# Altium PCB PCB1.PcbDoc (continued)
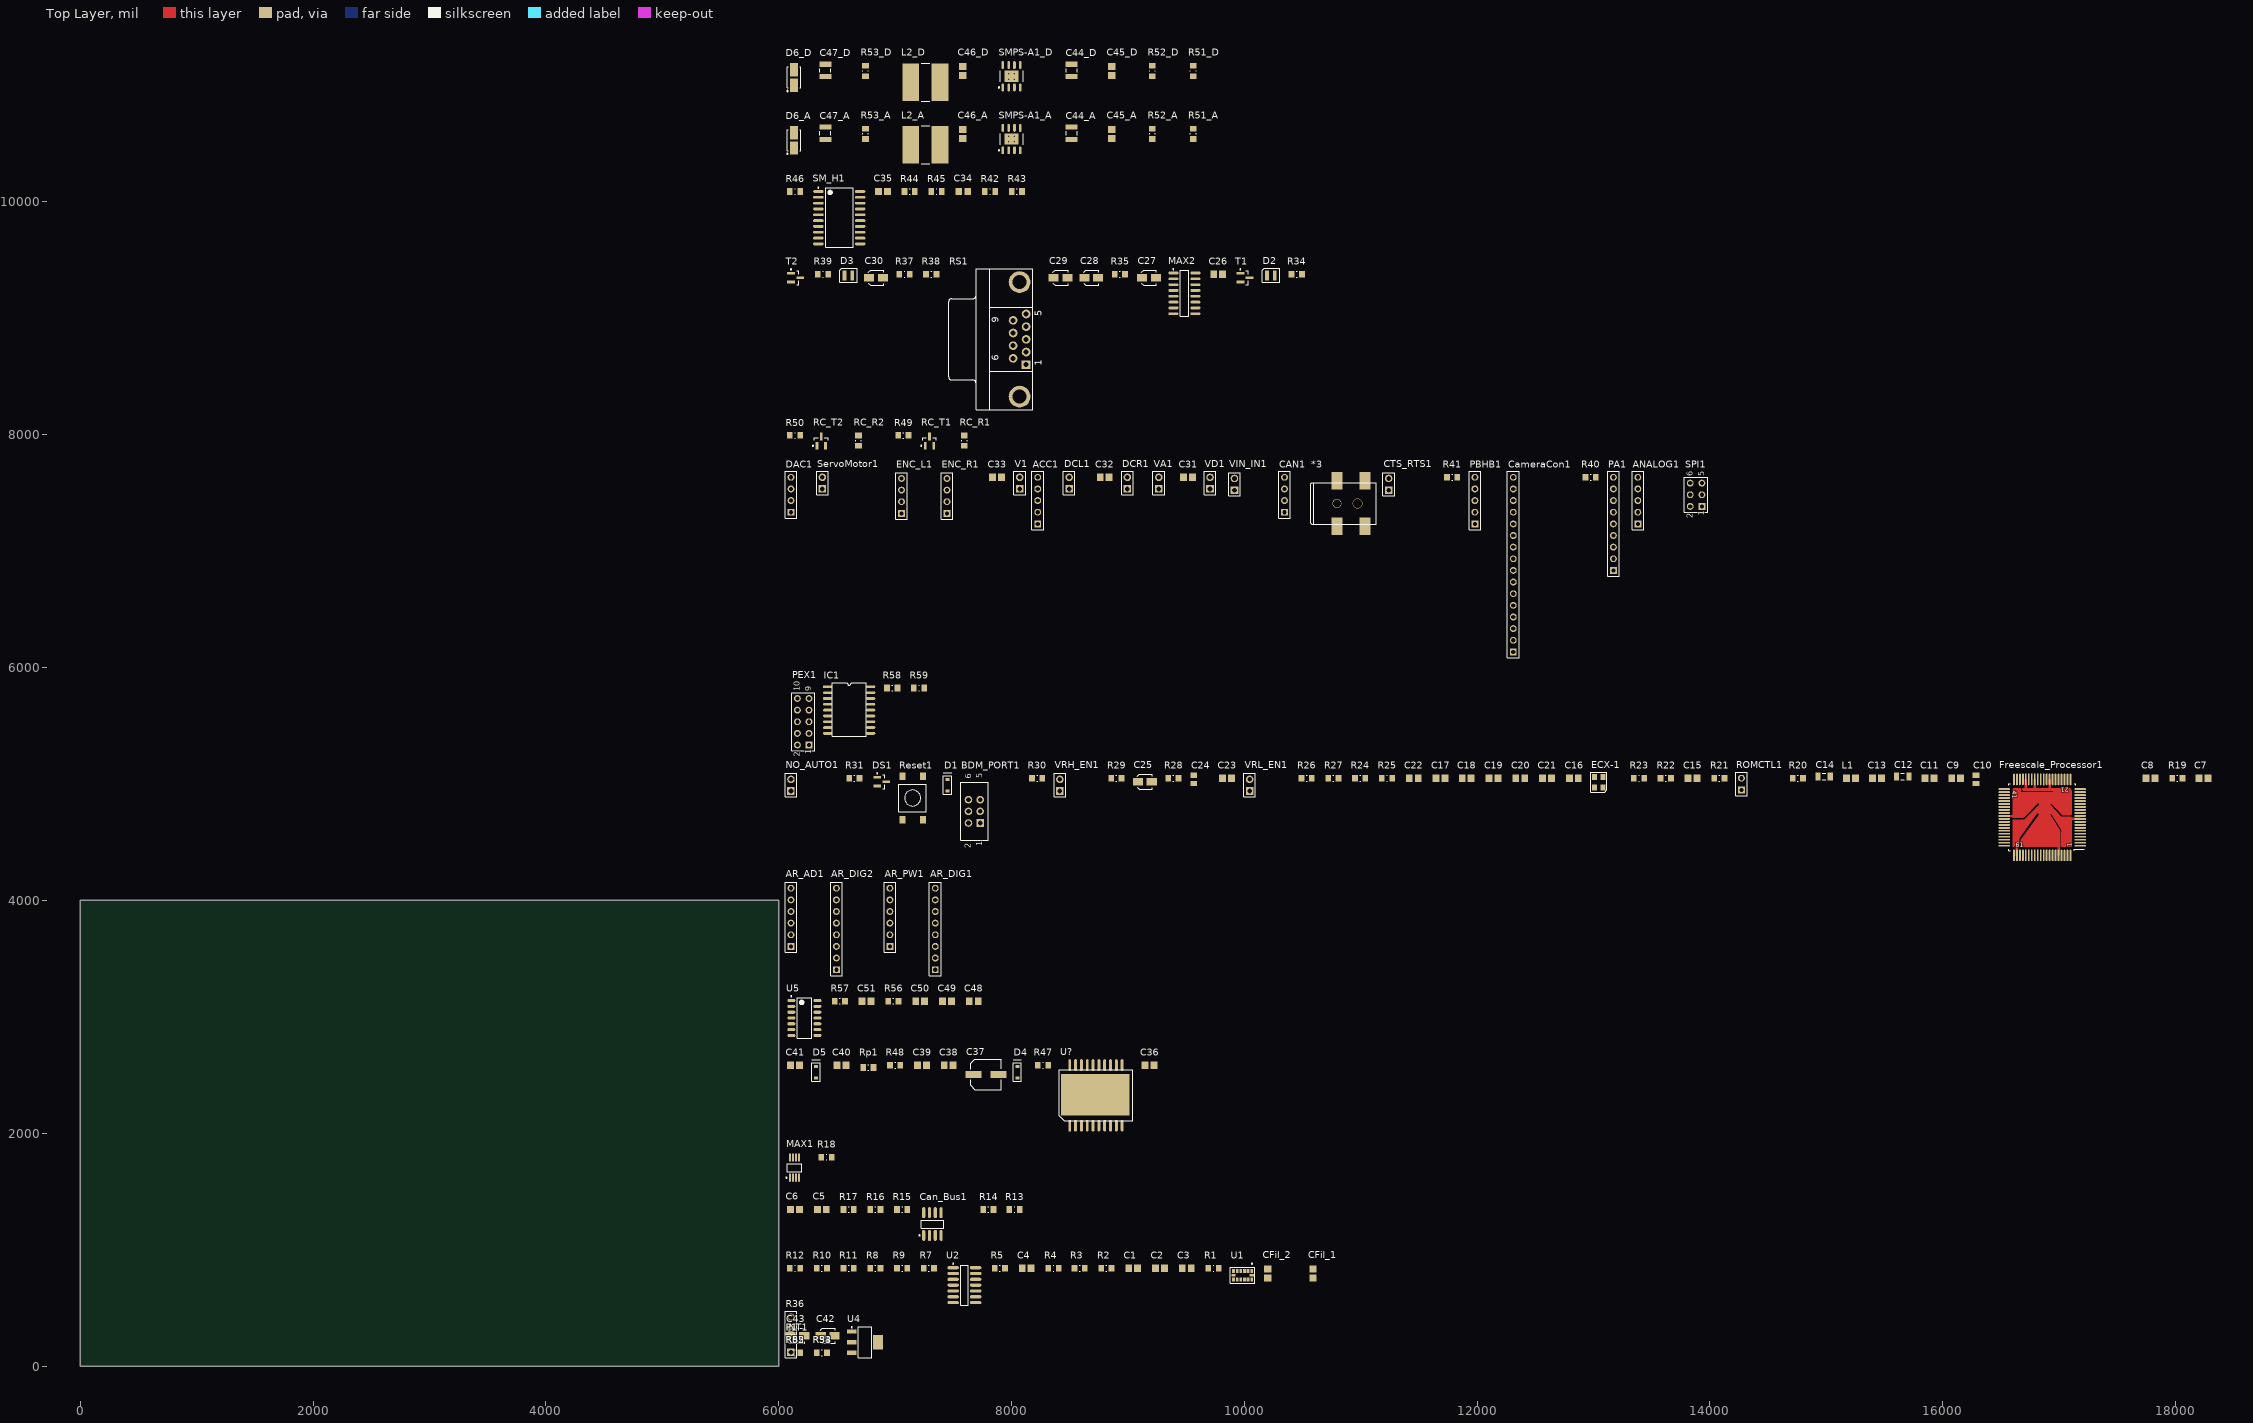
[diagram p0: Top Layer view]
## Components (designator, comment, footprint, x,y, rotation, side; value= is the part's Value field where it differs from the comment) (continued)
RS1 "D Connector 9" DSUB1.385-2H9 7695,8820 r90 top
ServoMotor1 "Header 2" HDR1X2#1 6375,7535 r90 top
SM_H1 "L293DD" SO20_N 6520,9865 r0 top
SMPS-A1_A "LM22675MR-ADJ/NOPB" MRA08B_L 8000,10540 r90 top (schematic designator SMPS-A1)
SMPS-A1_D "LM22675MR-ADJ/NOPB" MRA08B_L 8000,11080 r90 top (schematic designator SMPS-A1)
SPI1 "Header 3X2" HDR2X3 13930,7385 r90 top
T1 "BC846B" SOT95P230X110-3M 10005,9350 r0 top
T2 "BC846B" SOT95P230X110-3M 6145,9350 r0 top
U1 "LIS352ARTR" LGA-14-3X5MM 9985,780 r0 top
U2 "LMC6484_0" SOIC127P600X175-14M-NS 7595,695 r0 top
U4 "LM1117IMP-ADJ/NOPB" MP04A_L 6740,205 r0 top
U5 "74ACT14_3" SOIC127P600X175-14M 6220,2990 r0 top
U? "L6225" POWERSOP20 8500,2065 r0 top
V1 "Header 2" HDR1X2#1 8070,7535 r90 top
VA1 "Header 2" HDR1X2#1 9265,7535 r90 top
VD1 "Header 2" HDR1X2#1 9705,7535 r90 top
VIN_IN1 "Header 2" HDR1X2#1 9915,7525 r90 top
VRH_EN1 "Header 2" HDR1X2#1 8415,4940 r90 top
VRL_EN1 "Header 2" HDR1X2#1 10045,4940 r90 top

## Footprints (in the part's own frame and the unit in brackets; to place one, negate y for a bottom-side part, rotate by r counter-clockwise, add the part's x,y. Pads: shape width x height; smd on the part's side, far side on the other; paste and mask are expansions set on the pad)
C1206 [mm] "Chip Capacitor, Body 3.2x1.6mm, IPC High Density"
  rect 1.1x1.7 smd: 1(-1.35,0) 2(1.35,0)
  silkscreen extent -0.4,-0.75 0.4,0.75, body extent -1.7,-0.9 1.7,0.9, height 1.3
C1210 [mm] "Chip Capacitor, Body 3.2x2.5mm, IPC High Density"
  rect 1.1x2.6 smd: 1(-1.35,0) 2(1.35,0)
  silkscreen extent -0.4,-1.2 0.4,1.2, body extent -1.7,-1.35 1.7,1.35, height 1.3
C_805 [mm]
  rect 1.15x1.45 smd: 1(-0.9,0) 2(0.9,0)
CAPACITOR_3MM [mm]
  rect 2.2x1.6 smd: 1(-1.5,0) 2(1.5,0)
  silkscreen extent -1.65,-1.65 1.65,1.65, body extent -2.6,-2.15 2.6,2.15, height 6.15
CAPACITOR_6.3MM [mm]
  rect 3.5x1.6 smd: 1(-2.7,0) 2(2.7,0)
  silkscreen extent -3.3,-3.3 3.3,3.3, body extent -3.8,-3.3 3.8,3.3, height 8.1
CAPC2012X09M [mm] "Chip Capacitor, 2-Leads, Body 2.00x1.25mm, IPC Low Density"
  rect 1.5x1.6 smd: 1(-0.975,0) 2(0.975,0)
  body extent -1.1,-0.72 1.1,0.72, height 0.88
DIOM4326X23M [mm] "Molded Diode, 2-Leads, Body 4.30x2.60mm, IPC Low Density"
  rect 2.9x1.7 smd: 1(-1.675,0) 2(1.675,0)
  silkscreen extent -3.07,-1.5 2.3,1.52, body extent -2.74,-1.4 2.74,1.4, height 2.36
DSUB1.385-2H9 [mm] "Connector; D Subminiature; 9 Position; Right Angle; Pitch 1.385 mm"
  rect 1.905x1.905 hole 1.09: 1(-5.54,-10.92)
  round 1.905 hole 1.09: 2(-2.77,-10.92) 3(0,-10.92) 4(2.77,-10.92) 5(5.54,-10.92) 6(-4.155,-8.08) 7(-1.385,-8.08) 8(1.385,-8.08) 9(4.155,-8.08)
  round 4.76 hole 3.1: 10(-12.495,-9.5) 11(12.495,-9.5)
  silkscreen extent -15.4,-12.4 15.4,6, body extent -15.49,-12.69 15.32,5.61, height 12.88
ECX-32 [mm]
  rect 1.3x1.1 smd: 1(0,0) 2(2.3,0) 3(2.3,1.8) 4(0,1.8)
  silkscreen extent -1.02,-0.89 3.3,2.67
HDR1X2#1 [mil] "Connector; Header; 4 Position"
  rect 65x65 hole 40: 1(0,0)
  round 65 hole 40: 2(100,0)
  silkscreen extent -50,-50 151,50, body extent -46,-50 154,48, height 370
HDR1X2#2 [mil] "Connector; Header; 2 Position"
  rect 59.06x59.06 hole 35.43: 1(0,0)
  round 59.06 hole 35.43: 2(100,0)
  silkscreen extent -50,-50 150,50
HDR1X4#1 [mm] "Connector; Header; 4 Position"
  rect 1.5x1.5 hole 0.9: 1(0,0)
  round 1.5 hole 0.9: 2(2.54,0) 3(5.08,0) 4(7.62,0)
  silkscreen extent -1.27,-1.27 8.89,1.27
HDR1X4#2 [mm] "Connector; Header; 4 Position"
  rect 1.651x1.651 hole 1.016: 1(0,0)
  round 1.651 hole 1.016: 2(2.54,0) 3(5.08,0) 4(7.62,0)
  silkscreen extent -1.27,-1.27 8.89,1.27, body extent -1.19,-1.22 8.97,1.28, height 9.4
HDR1X5 [mm] "Connector; Header; 5 Position"
  rect 1.5x1.5 hole 0.9: 1(0,0)
  round 1.5 hole 0.9: 2(2.54,0) 3(5.08,0) 4(7.62,0) 5(10.16,0)
  silkscreen extent -1.27,-1.27 11.43,1.27
HDR1X6 [mm] "Connector; Header; 6 Position"
  rect 1.5x1.5 hole 0.9: 1(0,0)
  round 1.5 hole 0.9: 2(2.54,0) 3(5.08,0) 4(7.62,0) 5(10.16,0) 6(12.7,0)
  silkscreen extent -1.27,-1.27 13.97,1.27
HDR1X8 [mm] "Connector; Header; 8 Position"
  rect 1.5x1.5 hole 0.9: 1(0,0)
  round 1.5 hole 0.9: 2(2.54,0) 3(5.08,0) 4(7.62,0) 5(10.16,0) 6(12.7,0) 7(15.24,0) 8(17.78,0)
  silkscreen extent -1.27,-1.27 19.05,1.27
HDR1X9 [mm] "Connector; Header; 9 Position"
  rect 1.5x1.5 hole 0.9: 1(0,0)
  round 1.5 hole 0.9: 2(2.54,0) 3(5.08,0) 4(7.62,0) 5(10.16,0) 6(12.7,0) 7(15.24,0) 8(17.78,0) 9(20.32,0)
  silkscreen extent -1.27,-1.27 21.59,1.27
HDR1X16 [mm] "Connector; Header; 16 Position"
  rect 1.5x1.5 hole 0.9: 1(0,0)
  round 1.5 hole 0.9: 2(2.54,0) 3(5.08,0) 4(7.62,0) 5(10.16,0) 6(12.7,0) 7(15.24,0) 8(17.78,0) 9(20.32,0) 10(22.86,0) 11(25.4,0) 12(27.94,0) 13(30.48,0) 14(33.02,0) 15(35.56,0) 16(38.1,0)
  silkscreen extent -1.27,-1.27 39.37,1.27
HDR2X3 [mm] "Connector; Header; 3x2 Position"
  rect 1.5x1.5 hole 0.9: 1(0,0)
  round 1.5 hole 0.9: 2(0,2.54) 3(2.54,0) 4(2.54,2.54) 5(5.08,0) 6(5.08,2.54)
  silkscreen extent -1.27,-1.27 6.35,3.81
HDR2X5 [mm] "Connector; Header; 5x2 Position"
  rect 1.5x1.5 hole 0.9: 1(0,0)
  round 1.5 hole 0.9: 2(0,2.54) 3(2.54,0) 4(2.54,2.54) 5(5.08,0) 6(5.08,2.54) 7(7.62,0) 8(7.62,2.54) 9(10.16,0) 10(10.16,2.54)
  silkscreen extent -1.27,-1.27 11.43,3.81
HDR3X2 [mil] "Connector; Header Male; 3x2 Position"
  rect 65x65 hole 40: 1(0,0)
  round 65 hole 40: 2(0,100) 3(100,0) 4(100,100) 5(200,0) 6(200,100)
  silkscreen extent -150,-68 350,168, body extent -50,-49 250,151, height 374
INDP8080X40M [mm] "Precision Wire Wound Inductor, 2-Leads, Body 8.00x8.00mm, IPC Low Density"
  rect 3.7x8.2 smd: 1(-3.2,0) 2(3.2,0)
  silkscreen extent -0.95,-4.15 0.95,4.15, body extent -4,-4 4,4, height 4
LED [mm]
  rect 0.8x2.2 smd: 1(0,0) 2(1.7,0)
  silkscreen extent -1.02,-1.52 2.79,1.52
LGA-14-3X5MM [mm]
  rect 0.6x0.9 smd: 1(2,0.95) 2(1.2,0.95) 3(0.4,0.95) 4(-0.4,0.95) 5(-1.2,0.95) 6(-2,0.95) 8(-2,-0.95) 9(-1.2,-0.95) 10(-0.4,-0.95) 11(0.4,-0.95) 12(1.2,-0.95) 13(2,-0.95)
  rect 0.9x0.6 smd: 7(-2,0) 14(2,0)
  silkscreen extent -2.7,-1.7 2.7,2.67, body extent -2.54,-1.52 2.54,1.52, height 1
MCP23009 [mm]
  rect 2x0.6 smd: 1(0,0)
  oval 2x0.6 smd: 2(0,-1.27) 3(0,-2.54) 4(0,-3.81) 5(0,-5.08) 6(0,-6.35) 7(0,-7.62) 8(0,-8.89) 9(0,-10.16) 10(9.4,-10.16) 11(9.4,-8.89) 12(9.4,-7.62) 13(9.4,-6.35) 14(9.4,-5.08) 15(9.4,-3.81) 16(9.4,-2.54) 17(9.4,-1.27) 18(9.4,0)
  silkscreen extent 1,-10.79 8.4,0.89
MP04A_L [mm] "SOT223, 4-Leads, Body 6.5x3.5mm, Pitch 2.3mm, Lead Span 7mm, IPC High Density"
  rect 2.1x0.9 smd: 1(-2.85,2.3) 2(-2.85,0) 3(-2.85,-2.3)
  rect 2.1x3.2 smd: 4(2.85,0)
  silkscreen extent -2.97,-3.35 1.5,3.42, body extent -1.85,-3.35 1.85,3.35, height 1.8
MRA08B_L [mm] "SOIC, 8-Leads, Body 4.9x3.9mm, Pitch 1.27mm, Exposed Pad, IPC High Density"
  oval 1.7x0.6 smd: 1(-2.45,1.905) 2(-2.45,0.635) 3(-2.45,-0.635) 4(-2.45,-1.905) 5(2.45,-1.905) 6(2.45,-0.635) 7(2.45,0.635) 8(2.45,1.905)
  rect 2.41x3.1 smd: 9(0,0)
  silkscreen extent -2.57,-2.5 1.2,2.88, body extent -2,-2.5 2,2.5, height 1.68
NSO16_N [mm] "SOIC, 16-Leads, Body 9.9x3.9mm, Pitch 1.27mm, IPC Medium Density"
  oval 2.2x0.6 smd: 1(-2.4,4.445) 2(-2.4,3.175) 3(-2.4,1.905) 4(-2.4,0.635) 5(-2.4,-0.635) 6(-2.4,-1.905) 7(-2.4,-3.175) 8(-2.4,-4.445) 9(2.4,-4.445) 10(2.4,-3.175) 11(2.4,-1.905) 12(2.4,-0.635) 13(2.4,0.635) 14(2.4,1.905) 15(2.4,3.175) 16(2.4,4.445)
  silkscreen extent -2.52,-5 0.9,5.42, body extent -3.1,-5 3.1,5, height 1.75
PJ-002AH-SMD [mm]
  round 1.954 hole 1.7: 0(0,0)
  round 2.154 hole 1.9: 0(4.5,0)
  rect 2.4x3.8 smd: 1(0,5) 1(6.1,5) 2(0,-5) 3(6.1,-5)
  silkscreen extent -5.71,-4.5 8.58,4.5
POWERSOP20 [mil]
  rect 25x100 smd: 1(0,0)
  rect 590.55x354.33 smd: 1(220,265)
  oval 25x100 smd: 2(50,0) 3(100,0) 4(150,0) 5(200,0) 6(250,0) 7(300,0) 8(350,0) 9(400,0) 10(450,0) 11(450,520.85) 12(400,520.85) 13(350,520.85) 14(300,520.85) 15(250,520.85) 16(200,520.85) 17(150,520.85) 18(100,520.85) 19(50,520.85) 20(0,520.85)
  silkscreen extent -90,41 540,480, body extent -90,-21 540,541, height 128
QUAD.65M/80/WG17.45-HCS12 [mil]
  rect 16x100 smd: 1(0,0) 10(230.4,0) 50(256,652.4)
  oval 16x100 smd: 2(25.6,0) 3(51.2,0) 4(76.8,0) 5(102.4,0) 6(128,0) 7(153.6,0) 8(179.2,0) 9(204.8,0) 11(256,0) 12(281.6,0) 13(307.2,0) 14(332.8,0) 15(358.4,0) 16(384,0) 17(409.6,0) 18(435.2,0) 19(460.8,0) 20(486.4,0) 41(486.4,652.4) 42(460.8,652.4) 43(435.2,652.4) 44(409.6,652.4) 45(384,652.4) 46(358.4,652.4) 47(332.8,652.4) 48(307.2,652.4) 49(281.6,652.4) 51(230.4,652.4) 52(204.8,652.4) 53(179.2,652.4) 54(153.6,652.4) 55(128,652.4) 56(102.4,652.4) 57(76.8,652.4) 58(51.2,652.4) 59(25.6,652.4) 60(0,652.4)
  oval 100x16 smd: 21(569.4,83) 22(569.4,108.6) 23(569.4,134.2) 24(569.4,159.8) 25(569.4,185.4) 26(569.4,211) 27(569.4,236.6) 28(569.4,262.2) 29(569.4,287.8) 31(569.4,339) 32(569.4,364.6) 33(569.4,390.2) 34(569.4,415.8) 35(569.4,441.4) 36(569.4,467) 37(569.4,492.6) 38(569.4,518.2) 39(569.4,543.8) 40(569.4,569.4) 61(-83,569.4) 62(-83,543.8) 63(-83,518.2) 64(-83,492.6) 65(-83,467) 66(-83,441.4) 67(-83,415.8) 68(-83,390.2) 69(-83,364.6) 71(-83,313.4) 72(-83,287.8) 73(-83,262.2) 74(-83,236.6) 75(-83,211) 76(-83,185.4) 77(-83,159.8) 78(-83,134.2) 79(-83,108.6) 80(-83,83)
  rect 100x16 smd: 30(569.4,313.4) 70(-83,339)
  Top Layer region: 603 vertices and 0 holes, not listed, extent -84.54,-0.54 570.54,656.54
  silkscreen extent -44,-36 531,614, body extent -71,10 561,641, height 53
RESC2112X05M [mm] "Chip Resistor, 2-Leads, Body 2.05x1.25mm, IPC Low Density"
  rect 1.25x1.45 smd: 1(-1.125,0) 2(1.125,0)
  silkscreen extent -0.1,-0.63 0.1,0.63, body extent -1.1,-0.7 1.1,0.7, height 0.5
SO20_N [mm] "SOIC, 20-Leads, Body 12.8x7.5mm, Pitch 1.27mm, IPC Medium Density"
  oval 2.3x0.6 smd: 1(-4.55,5.715) 2(-4.55,4.445) 3(-4.55,3.175) 4(-4.55,1.905) 5(-4.55,0.635) 6(-4.55,-0.635) 7(-4.55,-1.905) 8(-4.55,-3.175) 9(-4.55,-4.445) 10(-4.55,-5.715) 11(4.55,-5.715) 12(4.55,-4.445) 13(4.55,-3.175) 14(4.55,-1.905) 15(4.55,-0.635) 16(4.55,0.635) 17(4.55,1.905) 18(4.55,3.175) 19(4.55,4.445) 20(4.55,5.715)
  silkscreen extent -4.67,-6.5 3,6.69, body extent -5.04,-6.52 5.15,6.82, height 2.67
SOIC127P600X175-8M [mm] "SOIC, 8-Leads, Body 4.90x3.90mm, Pitch 1.27mm, IPC Low Density"
  oval 2.4x0.7 smd: 1(-2.475,1.905) 2(-2.475,0.635) 3(-2.475,-0.635) 4(-2.475,-1.905) 5(2.475,-1.905) 6(2.475,-0.635) 7(2.475,0.635) 8(2.475,1.905)
  silkscreen extent -2.6,-2.45 0.88,2.93, body extent -3,-2.5 3,2.5, height 1.78
SOIC127P600X175-14M [mm] "SOIC, 14-Leads, Body 8.65x3.90mm, Pitch 1.27mm, IPC Low Density"
  oval 1.75x0.7 smd: 1(-2.85,3.81) 2(-2.85,2.54) 3(-2.85,1.27) 4(-2.85,0) 5(-2.85,-1.27) 6(-2.85,-2.54) 7(-2.85,-3.81) 8(2.85,-3.81) 9(2.85,-2.54) 10(2.85,-1.27) 11(2.85,0) 12(2.85,1.27) 13(2.85,2.54) 14(2.85,3.81)
  silkscreen extent -2.97,-4.4 1.58,4.83, body extent -3,-4.37 3,4.38, height 1.83
SOIC127P600X175-14M-NS [mm] "SOIC, 14-Leads, Body 8.62x3.90mm, Pitch 1.27mm, IPC Low Density"
  oval 2.5x0.7 smd: 1(-2.45,3.81) 2(-2.45,2.54) 3(-2.45,1.27) 4(-2.45,0) 5(-2.45,-1.27) 6(-2.45,-2.54) 7(-2.45,-3.81) 8(2.45,-3.81) 9(2.45,-2.54) 10(2.45,-1.27) 11(2.45,0) 12(2.45,1.27) 13(2.45,2.54) 14(2.45,3.81)
  silkscreen extent -2.57,-4.35 0.8,4.83, body extent -3.05,-4.37 2.95,4.38, height 1.83
SOT95P230X110-3M [mm] "SOT23, 3-Leads, Body 2.90x2.30mm, Pitch 0.95mm, IPC Low Density"
  rect 1.7x0.6 smd: 1(-1,0.95) 2(-1,-0.95) 3(1,0)
  silkscreen extent -1.12,-1.5 0.7,1.92, body extent -0.7,-1.5 0.7,1.5, height 1.1
TACT_SWITCH_6MM_SMT [mm]
  rect 1.55x1.3 smd: 1(-4.75,2.25) 2(4.75,2.25) 3(-4.75,-2.25) 4(4.75,-2.25)
  silkscreen extent -3,-3 3,3, body extent -5,-3.05 5,2.95, height 5.07
TSOP65P490X110-8M [mm] "TSOP, 8-Leads, Body 3.00x3.00mm, Pitch 0.65mm, IPC Low Density"
  oval 1.85x0.45 smd: 1(-2.2,0.975) 2(-2.2,0.325) 3(-2.2,-0.325) 4(-2.2,-0.975) 5(2.2,-0.975) 6(2.2,-0.325) 7(2.2,0.325) 8(2.2,0.975)
  silkscreen extent -2.32,-1.55 0.87,1.87, body extent -1.55,-1.55 1.55,1.55, height 1.1
zener_sod323 [mil]
  rect 25x33 smd: A(-49.75,0) K(49.75,0)
  silkscreen extent -80,-35 105,35, body extent -52,-25 54,24, height 43

## Part data
ACC1 ANALOG1 PBHB1: "Header, 5-Pin"
AR_AD1 AR_PW1: "Header, 6-Pin"
AR_DIG1 AR_DIG2: "Header, 8-Pin"
BDM_PORT1: "CONN HEADER BRKWAY 6POS DL .100"
C1 C2 C3: library part CAP-Y5V-.1uF-50V-+80%/-20%, "CAP CER .1uF 50v Y5V 0805"
C4 C17 C18 C19 C20 C21 C22 C26 C34 C35: library part CAP-X7R-.1uF-50V-±20%, "CAP CER .1uF 50v X7R 0805"
C5 C6: library part CAP-COG-100pF-500V-±5%, "CAP CER 100pF 500v COG 0805"
C7: library part CAP-X7R-4700pF-50V-±10%, "CAP CER 4700pF 50v X7R 0805"
C8: library part CAP-X7R-470pF-50V-±10%, "CAP CER 470pF 50v X7R 0805"
C9 C11 C12 C13 C14 C23 C48 C49 C50 C51: library part CAP-X7R-.1uF-16V-±10%, "CAP CER .1uF 16v X7R 0805"
C10: library part CAP-Z5U-10000pF-50V-+80%/-20%, "CAP CER 10000pF 50v Z5U 0805"
C15 C16: library part CAP-X7R-22pF-630V-±10%, "CAP CER 22pF 630v X7R 0805"
C24 C46_A C46_D: library part CAP-X7R-10000pF-100V-±10%, "CAP CER 10000pF 100v X7R 0805"
C25: library part "Cap Polar-10uF-16V", "CAP 85C 10uF ±20% 16V WX Series Aluminum Electrolytic"
C27 C28 C29 C30 C42 C43: library part "Cap Polar-0.1uF-50V", "CAP 85C 0.1uF ±20% 50V WX Series Aluminum Electrolytic"
C31 C32 C33: library part CAP-Z5U-.1uF-50V-±20%, "CAP CER .1uF 50v Z5U 0805"
C36 C40: library part CAP-X7R-5600pF-50V-±10%, "CAP CER 5600pF 50v X7R 0805"
C37: library part "Cap Polar-100uF-16V", "CAP 85C 100uF ±20% 16V WX Series Aluminum Electrolytic"
C38: library part CAP-X7R-.1uF-100V-±10%, "CAP CER .1uF 100v X7R 0805"
C39: library part CAP-X7R-10000pF-1000V-±5%, "CAP CER 10000pF 1000v X7R 1210"
C41: library part CAP-X7R-.22uF-50V-±10%, "CAP CER .22uF 50v X7R 0805"
C44_A C44_D C47_A C47_D: library part Cap, "Capacitor"
C45_A C45_D: library part CAP-X7R-1uF-16V-±10%, "CAP CER 1uF 16v X7R 0805"
CameraCon1: "Header, 16-Pin"
CAN1 DAC1: "Header, 4-Pin"
Can_Bus1: "IC TRANSCEIVER CAN HI-SPD 8-SOIC"
CFil_1: library part CAP-X5R-10uF-6.3V-±10%, "CAP CER 10uF 6.3v X5R 0805"
CFil_2: library part CAP-Z5U-10000pF-50V-±20%, "CAP CER 10000pF 50v Z5U 0805"
CTS_RTS1 DCL1 DCR1 NO_AUTO1 ROMCTL1 ServoMotor1 V1 VA1 VD1 VIN_IN1 VRH_EN1 VRL_EN1: "Header, 2-Pin"
D1: library part "Diode 1N4148", "High Conductance Fast Diode"
D4 D5: "High Conductance Fast Diode"
D6_A D6_D: "Schottky Rectifier"
DS1: "5V EconoReset with Pushbutton"
ENC_L1 ENC_R1: library part "Header 4", "Header, 4-Pin"
Freescale_Processor1: "IC MCU 16BIT 128KB FLASH 80QFP"
INT1 P1: "Header, 2-Pin Male"
L1: library part INDUCTOR
L2_A L2_D: library part SRN8040, "FIXED IND 22UH 2.2A 100 MOHM SMD"
MAX1: library part Max5513-dac
MAX2: "3.0V TO 5.5V, Low-Power, up to 1Mbps, True RS-232 Transceiver Using Four 0.1µF External Capacitor"
PA1: "Header, 9-Pin"
PEX1: "Header, 5-Pin, Dual row"
R1 R2 R9 R10 R11 R13 R14 R18 R20 R22 R24 R28 R29 R30 R31 R40 R41 R42 R43 R44 R45 R46 R49 R50 R56 R57 R58 R59: library part Resistor_10.0K, "RES SMD 10.0K OHM 1% 1/8W 0805"
R3 R4 R5 R7: library part Resistor_6.65K, "RES SMD 6.65K OHM 1% 1/8W 0805"
R6: library part Resistor_19.6K, "RES SMD 19.6K OHM 1% 1/8W 0805"
R8: library part Resistor_32.4K, "RES SMD 32.4K OHM 1% 1/8W 0805"
R12 R32 R33: library part Resistor_0R_Jumper, "RES SMD 0 OHM 5% 1/8W 0805"
R15 R19 R35 R37 R38: library part Resistor_4.75K, "RES SMD 4.75K OHM 1% 1/8W 0805"
R16 R17: library part Resistor_102R, "RES SMD 102R OHM 1% 1/8W 0805"
R21 R23 R25: library part Resistor_9.76M, "RES SMD 9.76M OHM 1% 1/8W 0805"
R26 R27 R51_A R51_D R54 R55 RC_R1 RC_R2: library part Resistor_1.00K, "RES SMD 1.00K OHM 1% 1/8W 0805"
R34 R39: library part Resistor_698R, "RES SMD 698R OHM 1% 1/8W 0805"
R36: "Header, 4-Pin Male"
R47 R48: library part Resistor_100K, "RES SMD 100K OHM 1% 1/8W 0805"
R52_A R52_D R53_A R53_D: library part Resistor_2.87K, "RES SMD 2.87K OHM 1% 1/8W 0805"
RC_T1 RC_T2 T1 T2: "NPN General Purpose Amplifier"
Reset1: "SWITCH TACTILE SPST-NO 0.05A 12V"
Rp1: library part Resistor_100R, "RES SMD 100R OHM 1% 1/8W 0805"
RS1: "Receptacle Assembly, 9 Position, Right Angle"
SM_H1: "Push-Pull Four Channel Driver With Diode"
SMPS-A1_A SMPS-A1_D: "1A SIMPLE SWITCHER®, Step-Down Voltage Regulator with Precision Enable, 8-pin PSOP, Pb-Free"
SPI1: "Header, 3-Pin, Dual row"
U1: library part LIS352AR, "IC ACCELEROMETER 3AXIS LP 14LGA"
U2: "IC OPAMP GP 1.5MHZ RRO 14SOIC"
U4: "800mA Low-Dropout Linear Regulator, 4-pin SOT-223, Pb-Free"
U5: "IC INVERTER HEX SCHMITT 14SOIC"
U?: "IC MOTOR DRIVER PAR 20POWERSO"

## Via types
v1: diameter 25.98, hole 12.99, Top Layer to Bottom Layer, tented top, 8 vias

## Nets (pads, with @x,y where several pads share a name; then routed paths per layer and width w, separated by ;. In a path a pad name is that pad's centre, name@x,y a point inside that pad or via, vN(x,y) a via of type N, cw(c..) or ccw(c..) an arc to the next point about the centre after c; other vN are vias at no path point)
3.3VD: AR_PW1.2 C33.2 C42.1 CFil_1.1 CFil_2.1 U1.2 U1.13 U1.14 U4.2 U4.4 V1.2
5VA: AR_PW1.1 C31.2 C34.2 C47_A.2 CameraCon1.5 L2_A.2 R40.1 R41.1 R52_A.2 R54.1 R55.1 R56.2 R57.2 RC_T1.3 RC_T2.3 SM_H1.20 U5.14 VD1.2
5VD: AR_DIG1.1 AR_PW1.3 BDM_PORT1.6 C4.2 C12.2 C14.2 C17.2 C18.2 C19.2 C20.2 C21.2 C22.2 C26.1 C32.2 C43.1 C47_D.2 Can_Bus1.3 DS1.2 Freescale_Processor1.29 Freescale_Processor1.77 IC1.1 L1.1 L2_D.2 MAX1.6 MAX2.16 P1.2 PEX1.2 R13.2 R14.2 R18.2 R20.2 R22.2 R24.2 R27.2 R28.2 R29.1 R30.1 R31.2 R34.1 R39.2 R52_D.2 R58.2 R59.2 SPI1.2 U2.4 U4.3 VA1.2
AD0: AR_AD1.1 Freescale_Processor1.51
AD1: AR_AD1.2 Freescale_Processor1.52
AD2: AR_AD1.3 Freescale_Processor1.53
AD3: AR_AD1.4 Freescale_Processor1.54
AD4: ANALOG1.5 AR_AD1.5 Freescale_Processor1.55
AD5: ANALOG1.4 AR_AD1.6 Freescale_Processor1.56 R9.1 U2.7
AD6: ANALOG1.3 Freescale_Processor1.57
AD7: ANALOG1.2 Freescale_Processor1.58
CTS: MAX2.7 R36.3 RS1.8
DAC_CS: Freescale_Processor1.1 MAX1.1 R18.1
GND: *3.2 *3.3 ACC1.1 ANALOG1.1 AR_DIG1.2 AR_PW1.4 AR_PW1.5 AR_PW1.6 BDM_PORT1.2 C1.2 C2.2 C3.2 C4.1 C5.1 C6.1 C9.1 C10.1 C11.1 C12.1 C13.1 C14.1 C15.1 C16.1 C17.1 C18.1 C19.1 C20.1 C21.1 C22.1 C24.1 C25.2 C26.2 C28.2 C30.1 C31.1 C32.1 C33.1 C34.1 C35.2 C36.2 C37.2 C38.1 C40.1 C42.2 C43.2 C44_A.2 C44_D.2 C45_A.2 C45_D.2 C47_A.1 C47_D.1 C48.1 C49.1 C50.2 C51.2 CameraCon1.2 CameraCon1.6 CameraCon1.7 CameraCon1.16 CAN1.4 Can_Bus1.2 CFil_1.2 CFil_2.2 D6_A.2 D6_D.2 DAC1.4 DS1.3 ECX-1.2 ECX-1.4 ENC_L1.3 ENC_R1.3 Freescale_Processor1.10 Freescale_Processor1.28 Freescale_Processor1.33 Freescale_Processor1.36 Freescale_Processor1.50 Freescale_Processor1.62 Freescale_Processor1.76 IC1.18 MAX1.7 MAX2.15 NO_AUTO1.1 PA1.9 PBHB1.5 PEX1.1 R1.1 R2.1 R6.2 R10.2 R11.2 R15.1 R21.2 R26.1 R32.1 R33.1 R38.1 R42.1 R43.1 R44.1 R45.1 R46.2 R49.1 R50.1 R51_A.2 R51_D.2 R53_A.1 R53_D.1 Reset1.1 Reset1.2 ROMCTL1.2 RS1.5 SM_H1.4 SM_H1.5 SM_H1.6 SM_H1.7 SM_H1.14 SM_H1.15 SM_H1.16 SM_H1.17 SMPS-A1_A.6 SMPS-A1_A.9 SMPS-A1_D.6 SMPS-A1_D.9 SPI1.6 T1.2 T2.2 U1.5 U1.10 U2.11 U4.1 U5.7 U?.1 U?.8 U?.10 U?.11 U?.13 U?.20 V1.1 VA1.1 VD1.1 VIN_IN1.1 VRL_EN1.2
  other v1: 7976.38,10516.38 8023.62,10516.38 7976.38,10563.62 8023.62,10563.62 7976.38,11056.38 8023.62,11056.38 7976.38,11103.62 8023.62,11103.62
IRQ: Freescale_Processor1.39 INT1.2 R28.1
MODA: Freescale_Processor1.26 R33.2
MODB: Freescale_Processor1.25 R32.2
MODC-BK: BDM_PORT1.1 Freescale_Processor1.15 R30.2
NetACC1_2: ACC1.2 C3.1 U1.9
NetACC1_3: ACC1.3 C2.1 U1.8
NetACC1_4: ACC1.4 C1.1 U1.7
NetACC1_5: ACC1.5 R7.1
NetC5_2: C5.2 R16.1
NetC6_2: C6.2 R17.1
NetC7_2: C7.2 R19.1
NetC15_2: C15.2 ECX-1.3 Freescale_Processor1.34 R23.2
NetC16_2: C16.2 ECX-1.1 R23.1 R25.2
NetC27_1: C27.1 MAX2.1
NetC27_2: C27.2 MAX2.3
NetC28_1: C28.1 MAX2.2
NetC29_1: C29.1 MAX2.4
NetC29_2: C29.2 MAX2.5
NetC30_2: C30.2 MAX2.6
NetC36_1: C36.1 R47.1 U?.5
NetC39_1: C39.1 Rp1.2
NetC39_2: C39.2 U?.4
NetC40_2: C40.2 R48.1 U?.16
NetC41_2: C41.2 D5.K U?.17
NetC46_A_1: C46_A.1 D6_A.1 L2_A.1 SMPS-A1_A.8
NetC46_A_2: C46_A.2 SMPS-A1_A.1
NetC46_D_1: C46_D.1 D6_D.1 L2_D.1 SMPS-A1_D.8
NetC46_D_2: C46_D.2 SMPS-A1_D.1
NetC48_2: C48.2 ENC_L1.1 R54.2
NetC49_2: C49.2 ENC_R1.1 R55.2
NetC50_1: C50.1 ENC_L1.4 R56.1 U5.1
NetC51_1: C51.1 ENC_R1.4 R57.1 U5.3
NetCAN1_1: CAN1.1 Can_Bus1.6 R16.2
NetCAN1_2: CAN1.2 Can_Bus1.7 R17.2
NetCAN1_3: CAN1.3 Can_Bus1.5
NetCan_Bus1_1: Can_Bus1.1 Freescale_Processor1.74 R14.1
NetCan_Bus1_4: Can_Bus1.4 Freescale_Processor1.75 R13.1
NetCan_Bus1_8: Can_Bus1.8 P1.1 R15.2
NetCTS_RTS1_1: CTS_RTS1.1 MAX2.10
NetCTS_RTS1_2: CTS_RTS1.2 MAX2.9 R38.2
NetD1_K: D1.K DS1.1 Reset1.3 Reset1.4
NetD2_1: D2.1 T1.3
NetD2_2: D2.2 R34.2
NetD3_1: D3.1 T2.3
NetD3_2: D3.2 R39.1
NetD4_K: D4.K D5.A Rp1.1
NetDAC1_1: DAC1.1 MAX1.4
NetDAC1_2: DAC1.2 MAX1.5
NetDAC1_3: DAC1.3 MAX1.8
NetDCL1_1: DCL1.1 U?.3
NetDCL1_2: DCL1.2 U?.18
NetDCR1_1: DCR1.1 U?.9
NetDCR1_2: DCR1.2 U?.12
NetENC_L1_2: ENC_L1.2
NetENC_R1_2: ENC_R1.2
NetFreescale_Processor1_2: Freescale_Processor1.2 R4.1
NetFreescale_Processor1_3: Freescale_Processor1.3 R5.1
NetFreescale_Processor1_4: Freescale_Processor1.4 R3.1
NetFreescale_Processor1_5: Freescale_Processor1.5 U5.2
NetFreescale_Processor1_6: Freescale_Processor1.6 U5.4
NetFreescale_Processor1_7: Freescale_Processor1.7 RC_R1.1
NetFreescale_Processor1_8: Freescale_Processor1.8 RC_R2.1
NetFreescale_Processor1_11: Freescale_Processor1.11 R42.2 SM_H1.2
NetFreescale_Processor1_12: Freescale_Processor1.12 R44.2 SM_H1.9
NetFreescale_Processor1_13: Freescale_Processor1.13 R43.2 SM_H1.12
NetFreescale_Processor1_14: Freescale_Processor1.14 R45.2 SM_H1.19
NetFreescale_Processor1_16: Freescale_Processor1.16 U?.6
NetFreescale_Processor1_17: Freescale_Processor1.17 U?.14
NetFreescale_Processor1_18: Freescale_Processor1.18 U?.7
NetFreescale_Processor1_19: Freescale_Processor1.19 U?.15
NetFreescale_Processor1_24: Freescale_Processor1.24 R21.1
NetFreescale_Processor1_35: Freescale_Processor1.35 R25.1
NetFreescale_Processor1_78: Freescale_Processor1.78 R46.1 SM_H1.1 SM_H1.11
NetFreescale_Processor1_79: Freescale_Processor1.79 R48.2
NetFreescale_Processor1_80: Freescale_Processor1.80 R47.2
NetIC1_7: IC1.7 R58.1
NetMAX2_13: MAX2.13 RS1.3
NetMAX2_14: MAX2.14 RS1.2
NetR1_2: R1.2 R4.2 U1.4
NetR2_2: R2.2 R3.2 U1.6
NetR5_2: R5.2 R11.1 U1.3
NetR6_1: R6.1 R9.2 U2.6
NetR7_2: R7.2 R10.1 U1.12
NetR8_1: R8.1 U2.2
NetR8_2: R8.2 U2.1 U2.5
NetR12_1: R12.1 U1.11
NetR12_2: R12.2 U2.3
NetR35_2: R35.2 T1.1
NetR37_1: R37.1 T2.1
NetR50_2: R50.2 RC_T2.2 ServoMotor1.2
NetR51_A_1: R51_A.1 R52_A.1 SMPS-A1_A.4
NetR51_D_1: R51_D.1 R52_D.1 SMPS-A1_D.4
NetR53_A_2: R53_A.2 SMPS-A1_A.5
NetR53_D_2: R53_D.2 SMPS-A1_D.5
NetRC_R1_2: RC_R1.2 RC_T1.1
NetRC_R2_2: RC_R2.2 RC_T2.1
PA0: AR_DIG1.8 Freescale_Processor1.41 PA1.1
PA1: AR_DIG1.7 Freescale_Processor1.42 PA1.2
PA2: AR_DIG2.6 Freescale_Processor1.43 PA1.3
PA3: AR_DIG2.5 Freescale_Processor1.44 PA1.4
PA4: AR_DIG2.4 Freescale_Processor1.45 PA1.5
PA5: AR_DIG2.3 Freescale_Processor1.46 PA1.6
PA6: AR_DIG2.2 Freescale_Processor1.47 PA1.7
PA7: AR_DIG2.1 Freescale_Processor1.48 PA1.8
PB4: Freescale_Processor1.20 PBHB1.4
PB5: Freescale_Processor1.21 PBHB1.3
PB6: AR_DIG2.8 Freescale_Processor1.22 PBHB1.2
PB7: AR_DIG2.7 Freescale_Processor1.23 PBHB1.1
PEX0: IC1.9 PEX1.3
PEX1: IC1.10 PEX1.4
PEX2: IC1.11 PEX1.5
PEX3: IC1.12 PEX1.6
PEX4: IC1.13 PEX1.7
PEX5: IC1.14 PEX1.8
PEX6: IC1.15 PEX1.9
PEX7: IC1.16 PEX1.10
PJ6: Freescale_Processor1.69 IC1.3 R59.1
PJ7: Freescale_Processor1.68 IC1.8
R1: R36.1 RS1.1 RS1.4 RS1.6
RESET: BDM_PORT1.4 D1.A Freescale_Processor1.30 R29.2
ROMCTL: Freescale_Processor1.67 R20.1 ROMCTL1.1
RT: R36.4 RS1.9
RTS: MAX2.8 R36.2 RS1.7
RX_RS232: Freescale_Processor1.63 MAX2.12 R37.2
"SERVO SIGNAL": CameraCon1.4 R49.2 RC_T1.2 ServoMotor1.1
SPI_MISO: AR_DIG1.5 Freescale_Processor1.73 IC1.6 R24.1 SPI1.1
SPI_MOSI: AR_DIG1.4 Freescale_Processor1.71 IC1.5 MAX1.3 R22.1 SPI1.4
SPI_SCK: AR_DIG1.3 Freescale_Processor1.70 IC1.4 MAX1.2 R26.2 R27.1 SPI1.3
SPI_SS: AR_DIG1.6 Freescale_Processor1.72 SPI1.5
"STEPPER A": CameraCon1.13 SM_H1.3
"STEPPER A BAR": CameraCon1.12 SM_H1.8
"STEPPER B": CameraCon1.9 SM_H1.13
"STEPPER B BAR": CameraCon1.8 SM_H1.18
SWITCH_LEFT-: CameraCon1.15 Freescale_Processor1.65 R41.2
SWITCH_RIGHT-: CameraCon1.1 Freescale_Processor1.66 R40.2
TX_RS232: Freescale_Processor1.64 MAX2.11 R35.1
VDD1: C11.2 Freescale_Processor1.9
VDD2: C13.2 Freescale_Processor1.49
VDDA: C24.2 C25.1 Freescale_Processor1.59 L1.2 VRH_EN1.2
VDDPLL: C7.1 C8.1 C9.2 C10.2 Freescale_Processor1.31
VIN: *3.1 C35.1 C37.1 C38.2 C41.1 C44_A.1 C44_D.1 C45_A.1 C45_D.1 D4.A SM_H1.10 SMPS-A1_A.7 SMPS-A1_D.7 U?.2 U?.19 VIN_IN1.2
VRH: C23.2 Freescale_Processor1.60 VRH_EN1.1
VRL: C23.1 Freescale_Processor1.61 VRL_EN1.1
XFC: C8.2 Freescale_Processor1.32 R19.2
XIRQ: Freescale_Processor1.40 INT1.1 NO_AUTO1.2 R31.1
pads on no net: *3.0 BDM_PORT1.3 BDM_PORT1.5 CameraCon1.3 CameraCon1.10 CameraCon1.11 CameraCon1.14 Freescale_Processor1.27 Freescale_Processor1.37 Freescale_Processor1.38 IC1.2 IC1.17 RS1.10 RS1.11 SMPS-A1_A.2 SMPS-A1_A.3 SMPS-A1_D.2 SMPS-A1_D.3 U1.1 U2.8 U2.9 U2.10 U2.12 U2.13 U2.14 U5.5 U5.6 U5.8 U5.9 U5.10 U5.11 U5.12 U5.13

## Silkscreen, mask and mechanical layers (free items; w line width, h text height)
Mechanical 1:
  the board outline again, w100

## Text inside footprints (layer, text, board x,y; h text height)
BDM_PORT1: Top Overlay "6" at 7652,5046 h50 r90; Top Overlay "5" at 7750,5050 h50 r90; Top Overlay "1" at 7750,4465 h50 r90; Top Overlay "2" at 7650,4449 h50 r90
Freescale_Processor1: Top Overlay "61" at 16626,4457.57 h37.5; Top Overlay "41" at 16598.17,4941 h37.5 r270; Top Overlay "21" at 17081.58,4968.83 h37.5 r180; Top Overlay "1" at 17109.42,4461.82 h37.5 r90; Mechanical 1 "61" at 16626,4457.57 h37.5; Mechanical 1 "41" at 16598.17,4941 h37.5 r270; Mechanical 1 "21" at 17081.58,4968.83 h37.5 r180; Mechanical 1 "1" at 17109.42,4461.82 h37.5 r90
PEX1: Top Overlay "10" at 6179.92,5795 h50 r90; Top Overlay "9" at 6279.92,5795 h50 r90; Top Overlay "1" at 6279.92,5255 h50 r90; Top Overlay "2" at 6179.92,5235 h50 r90
RS1: Top Overlay "1" at 8260.95,8592.05 h59.06 r90; Top Overlay "5" at 8260.95,9018.43 h59.06 r90; Top Overlay "9" at 7890.87,8963.9 h59.06 r90; Top Overlay "6" at 7890.87,8636.73 h59.06 r90
SPI1: Top Overlay "6" at 13850,7645 h50 r90; Top Overlay "5" at 13950,7645 h50 r90; Top Overlay "2" at 13850,7285 h50 r90; Top Overlay "1" at 13950,7305 h50 r90